# Allegro board DPU_PoE_A1_Oct-9-26.brd (continued)
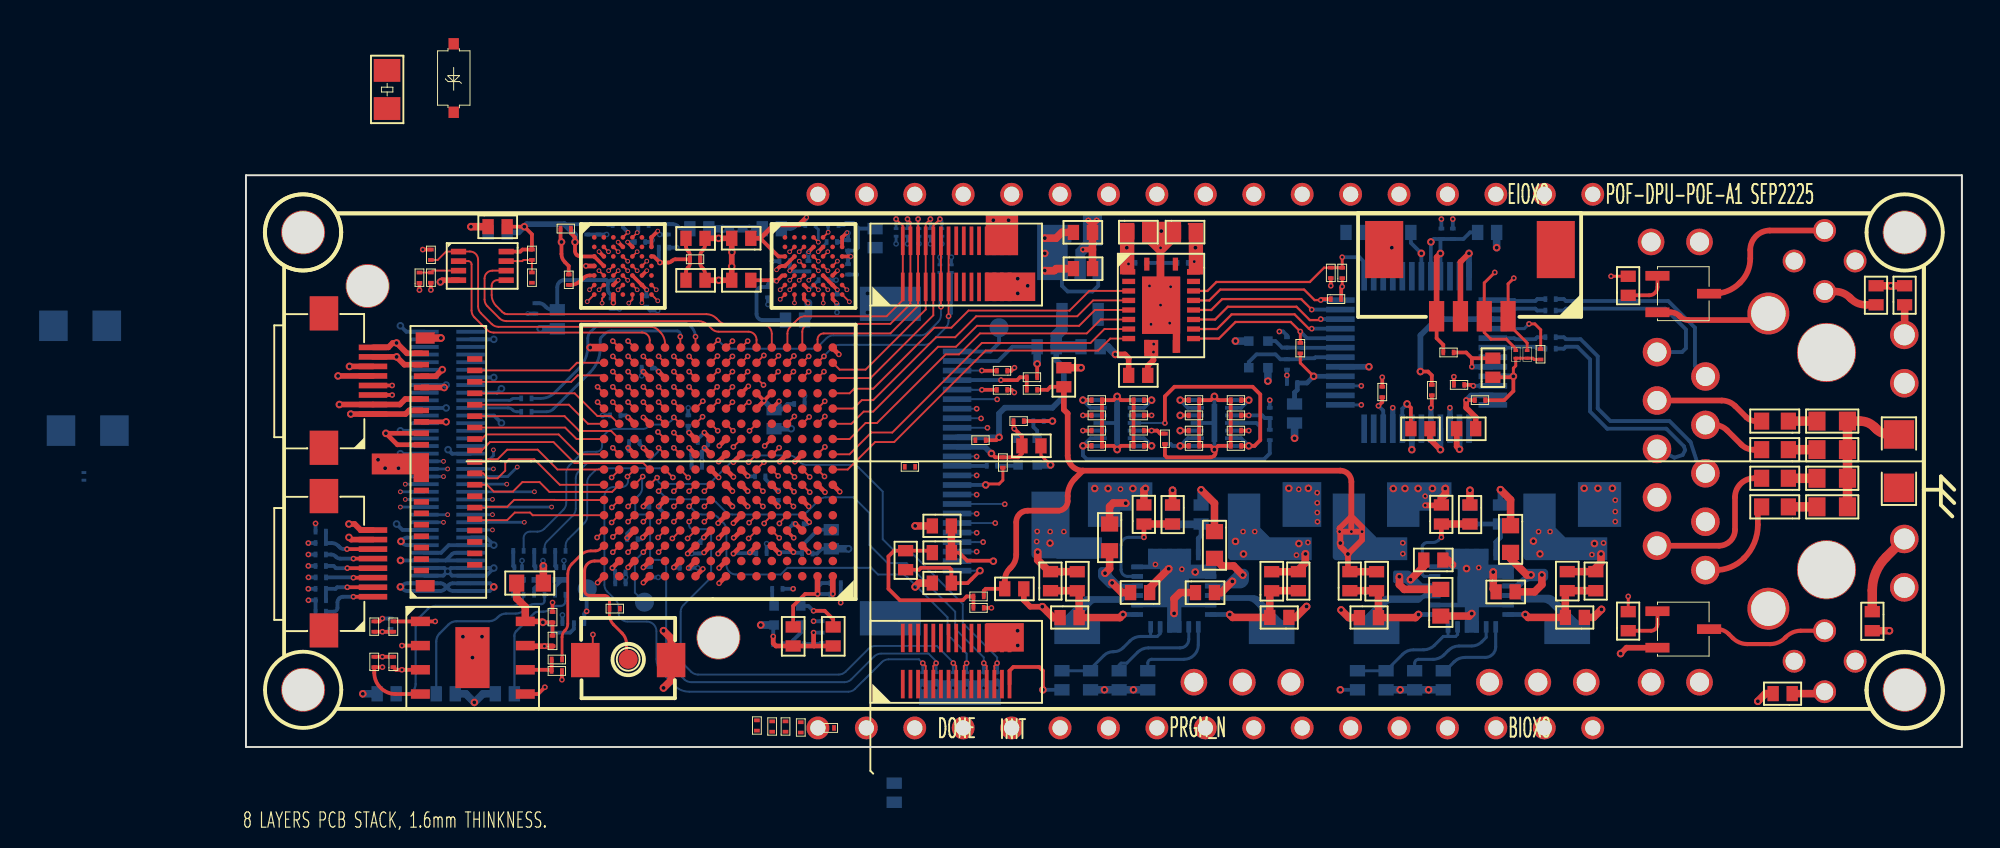
[diagram p0: board, top side]
## Routing (per net, layer and track width the routed paths; a pad name or vN(x,y) marks a point on that pad's centre or on a via; arc(x,y) is an arc through that point) (continued)
H2_D4: length 11.9
  TOP w0.102: v3(21.02,25.49) U1.D6 ; v1(22.44,18.9) U7.N11
  SIG-6 w0.102: v3(21.02,25.49) 21.04,25.48 21.05,25.48 21.54,24.99 arc(21.68,24.93) 21.83,24.99 22.24,25.41 arc(22.35,25.45) 22.45,25.41 arc(22.51,25.32) 22.53,25.23 22.53,25.16 arc(22.54,25.11) 22.57,25.06 22.58,25.04 arc(22.66,25.01) 22.73,25.04 22.96,25.28 arc(23.12,25.34) 23.29,25.28 arc(23.33,25.16) 23.29,25.04 23.01,24.76 arc(22.98,24.72) 22.97,24.68 22.97,24.66 arc(22.98,24.61) 23.01,24.58 23.07,24.52 arc(23.13,24.43) 23.15,24.32 23.15,23.16 arc(23.14,23.09) 23.09,23.02 23.09,23.02 arc(23,22.81) 23.09,22.6 23.11,22.59 arc(23.14,22.49) 23.11,22.4 arc(23.02,22.34) 22.91,22.32 22.3,22.32 arc(21.97,22.18) 21.83,21.86 21.83,21.69 arc(21.86,21.57) 21.93,21.46 21.95,21.45 arc(21.99,21.39) 22,21.31 22,19.34 v1(22.44,18.9)
H2_D5: length 12
  TOP w0.102: v1(20.84,20.5) 21.18,20.16 ; v3(20.02,24.49) U1.E4
  SIG-6 w0.102: v1(20.84,20.5) 20.53,20.5 20.44,20.58 20.44,20.66 20.21,20.9 19.88,20.9 19.6,21.17 19.6,21.53 19.4,21.67 19.32,21.67 arc(19.09,21.77) 19,22 arc(19.13,22.2) 19.37,22.15 19.42,22.1 arc(19.53,22.03) 19.66,22 19.82,22 19.85,21.98 arc(20.04,21.9) 20.24,21.98 arc(20.29,22.11) 20.24,22.24 20.23,22.25 arc(20.19,22.27) 20.15,22.28 19.91,22.28 19.84,22.35 19.84,22.48 19.91,22.55 20.46,22.55 arc(20.61,22.67) 20.79,22.71 arc(21.11,22.84) 21.24,23.16 21.24,23.53 arc(21.2,23.64) 21.09,23.69 20.55,23.69 arc(20.44,23.64) 20.4,23.53 20.4,23.52 arc(20.41,23.47) 20.44,23.43 20.54,23.33 arc(20.59,23.2) 20.54,23.07 20.49,23.03 arc(20.33,22.92) 20.13,22.88 20.04,22.88 arc(19.85,22.96) 19.76,23.16 19.76,23.49 arc(19.79,23.65) 19.89,23.79 19.9,23.8 arc(19.99,23.94) 20.02,24.1 v3(20.02,24.49)
H2_D6: length 11.9
  TOP w0.102: v3(19.52,24.99) U1.E3 ; v1(20.04,20.5) 20.38,20.16
  SIG-6 w0.102: v3(19.52,24.99) 19.27,24.74 arc(19.15,24.57) 19.11,24.36 19.11,24.06 arc(19.15,23.86) 19.27,23.68 19.29,23.66 arc(19.4,23.49) 19.44,23.3 19.44,22.67 arc(19.43,22.6) 19.39,22.55 arc(19.25,22.49) 19.12,22.55 arc(19.07,22.62) 19.05,22.7 19.05,23.34 arc(18.96,23.55) 18.76,23.64 18.58,23.64 arc(18.35,23.54) 18.25,23.3 18.25,23.17 arc(18.32,23.02) 18.47,22.95 18.54,22.95 arc(18.66,22.91) 18.71,22.79 18.71,22.77 arc(18.66,22.65) 18.54,22.61 18.25,22.61 arc(18.19,22.59) 18.15,22.56 arc(18.12,22.53) 18.12,22.49 18.12,22.38 arc(18.12,22.34) 18.15,22.31 arc(18.19,22.28) 18.25,22.26 18.51,22.26 arc(18.6,22.23) 18.64,22.13 18.64,22.11 arc(18.6,22.01) 18.51,21.97 18.31,21.97 arc(18.22,21.94) 18.19,21.85 18.19,21.83 arc(18.22,21.75) 18.31,21.71 18.52,21.71 arc(18.61,21.68) 18.65,21.58 18.65,21.53 arc(18.62,21.46) 18.55,21.43 arc(18.47,21.39) 18.43,21.31 18.43,21.14 arc(18.51,20.94) 18.7,20.86 19.16,20.86 arc(19.41,20.81) 19.63,20.67 19.76,20.54 19.99,20.54 v1(20.04,20.5)
H2_D7: length 11.9
  TOP w0.102: v1(20.04,19.7) U7.P14 ; U1.E2 18.52,24.99 v3(18.52,24.99)
  SIG-6 w0.102: v1(20.04,19.7) 20.05,19.7 20.17,19.7 arc(20.28,19.75) 20.33,19.86 20.33,19.94 arc(20.28,20.05) 20.17,20.1 19.22,20.1 arc(19.17,20.09) 19.12,20.06 19.07,20 arc(18.84,19.91) 18.62,20 17.93,20 arc(17.75,20.08) 17.68,20.25 17.68,20.28 arc(17.75,20.45) 17.92,20.52 17.94,20.52 arc(18.11,20.59) 18.18,20.75 arc(18.12,20.9) 17.97,20.96 17.68,20.96 arc(17.65,20.96) 17.62,20.97 17.61,20.97 arc(17.58,21.01) 17.58,21.04 arc(17.59,21.12) 17.63,21.18 arc(17.67,21.2) 17.72,21.21 17.92,21.21 arc(17.96,21.22) 18.01,21.25 arc(18.03,21.28) 18.04,21.32 18.04,21.41 arc(18.03,21.45) 18.01,21.48 18,21.49 arc(17.97,21.51) 17.93,21.52 17.72,21.52 arc(17.67,21.53) 17.63,21.56 arc(17.57,21.72) 17.63,21.88 17.67,21.92 arc(17.79,21.97) 17.84,22.09 17.84,22.16 arc(17.84,22.2) 17.81,22.23 17.59,22.46 arc(17.56,22.53) 17.59,22.6 17.62,22.64 arc(17.67,22.67) 17.74,22.68 17.77,22.68 arc(17.82,22.69) 17.86,22.72 arc(17.89,22.75) 17.89,22.79 17.89,22.88 arc(17.89,22.92) 17.86,22.95 arc(17.82,22.98) 17.77,22.99 17.74,22.99 arc(17.67,23) 17.62,23.04 17.58,23.08 arc(17.5,23.27) 17.58,23.45 17.67,23.54 arc(17.75,23.73) 17.67,23.92 17.65,23.93 arc(17.58,24.12) 17.65,24.31 17.73,24.39 arc(17.82,24.53) 17.86,24.69 17.86,24.7 arc(17.94,24.91) 18.15,24.99 v3(18.52,24.99)
H2_D8: length 11.9
  TOP w0.102: v1(22.44,18.1) U7.M11 ; v3(20.52,23.99) U1.F5
  SIG-3 w0.102: v1(22.44,18.1) 22.5,18.1 22.62,18.22 arc(22.78,18.46) 22.84,18.75 22.84,20.49 arc(22.79,20.73) 22.65,20.94 22.41,21.18 arc(22.31,21.43) 22.41,21.68 22.65,21.92 arc(22.67,21.95) 22.68,21.99 23.13,22.44 arc(23.24,22.61) 23.28,22.8 23.28,23.65 arc(23.22,23.78) 23.09,23.84 23.02,23.84 arc(22.88,23.78) 22.82,23.65 22.82,23.26 arc(22.77,23.05) 22.63,22.88 22.55,22.83 arc(22.41,22.76) 22.25,22.73 20.75,22.73 arc(20.58,22.8) 20.51,22.97 20.51,23.98 v3(20.52,23.99)
H2_D9: length 11.9
  TOP w0.102: v3(18.02,23.99) U1.F1 ; v1(19.24,18.9) U7.N15
  SIG-3 w0.102: v1(19.24,18.9) 18.84,19.3 15.77,19.3 arc(15.41,19.45) 15.26,19.81 15.26,23.2 arc(15.32,23.5) 15.49,23.76 15.49,23.76 arc(15.74,23.93) 16.05,23.99 v3(18.02,23.99)
H2_D10: length 11.9
  TOP w0.102: v3(21.52,23.99) U1.F7 ; v1(23.24,18.9) U7.N10
  SIG-3 w0.102: v1(23.24,18.9) 23.61,19.27 23.61,19.29 arc(23.64,19.38) 23.65,19.47 23.65,20.56 arc(23.61,20.76) 23.5,20.92 23.33,21.09 arc(23.23,21.23) 23.2,21.4 23.2,21.87 arc(23.23,22.03) 23.33,22.18 23.46,22.31 arc(23.57,22.47) 23.61,22.67 23.61,24.46 arc(23.48,24.76) 23.17,24.89 22.94,24.89 arc(22.63,24.76) 22.5,24.46 22.5,23.36 arc(22.41,23.13) 22.18,23.04 21.38,23.04 arc(21.31,23.07) 21.28,23.14 21.28,23.75 v3(21.52,23.99)
H2_D11: length 12
  TOP w0.102: v1(19.24,20.5) 19.58,20.16 ; v3(18.52,23.99) U1.F2
  SIG-3 w0.102: v3(18.52,23.99) 18.41,23.88 arc(18.34,23.78) 18.32,23.65 18.32,23.09 arc(18.27,22.99) 18.17,22.94 16.28,22.94 arc(16.16,22.89) 16.11,22.77 16.11,20.8 arc(16.18,20.63) 16.35,20.56 16.37,20.56 arc(16.55,20.63) 16.62,20.8 16.62,21.08 arc(16.69,21.26) 16.87,21.34 16.89,21.34 arc(17.07,21.26) 17.15,21.08 17.15,20.71 arc(17.22,20.55) 17.38,20.48 17.39,20.48 arc(17.55,20.55) 17.62,20.71 17.62,21.12 arc(17.7,21.31) 17.9,21.39 arc(18.11,21.31) 18.2,21.09 18.2,20.75 arc(18.28,20.55) 18.48,20.47 19.21,20.47 v1(19.24,20.5)
H2_D12: length 11.9
  TOP w0.102: v1(21.64,18.1) U7.M12 ; v3(20.08,23.29) 20.27,23.48 U1.G5
  SIG-3 w0.102: v1(21.64,18.1) 21.64,18 21.74,17.9 21.9,17.9 arc(21.97,17.93) 22,18 22,18 arc(22.04,18.19) 22.14,18.34 22.2,18.4 arc(22.23,18.47) 22.2,18.54 22.02,18.72 arc(21.97,18.83) 22.02,18.94 22.23,19.15 arc(22.26,19.22) 22.23,19.3 22.05,19.48 arc(21.98,19.64) 22.05,19.81 22.23,20 arc(22.26,20.07) 22.23,20.14 22.17,20.21 arc(22.08,20.34) 22.05,20.5 22.05,20.77 arc(22,20.88) 21.9,20.92 21.65,20.92 arc(21.61,20.93) 21.57,20.95 21.52,21 arc(21.47,21.13) 21.52,21.25 21.54,21.27 arc(21.64,21.33) 21.75,21.36 21.89,21.36 arc(21.96,21.39) 21.99,21.46 21.99,21.61 arc(21.96,21.69) 21.89,21.72 21.47,21.72 arc(21.39,21.75) 21.36,21.82 21.36,21.99 arc(21.39,22.06) 21.46,22.09 22.4,22.09 arc(22.47,22.12) 22.5,22.19 22.5,22.27 arc(22.49,22.32) 22.47,22.36 22.45,22.37 arc(22.42,22.4) 22.37,22.41 20.62,22.41 arc(20.24,22.56) 20.08,22.95 v3(20.08,23.29)
H2_D13: length 12.1
  TOP w0.102: v3(17.9,23.37) U1.G1 ; v1(19.24,19.7) U7.P15
  SIG-3 w0.102: v1(19.24,19.7) 18.91,20.03 17.67,20.03 arc(17.56,19.98) 17.51,19.87 arc(17.47,19.77) 17.36,19.72 17.32,19.72 arc(17.21,19.77) 17.16,19.89 17.16,19.96 arc(17.11,20.08) 16.98,20.14 16.96,20.14 arc(16.83,20.08) 16.78,19.96 16.78,19.89 arc(16.73,19.77) 16.62,19.72 16.43,19.72 16.36,19.8 16.36,19.96 arc(16.31,20.1) 16.17,20.15 arc(16.04,20.1) 15.99,19.96 15.99,19.88 arc(15.95,19.78) 15.85,19.74 arc(15.7,19.8) 15.63,19.96 15.63,23.04 arc(15.73,23.27) 15.96,23.37 16.15,23.37 arc(16.25,23.41) 16.29,23.51 16.29,23.53 arc(16.33,23.62) 16.42,23.66 16.56,23.66 arc(16.65,23.62) 16.69,23.53 16.69,23.51 arc(16.73,23.41) 16.83,23.37 v3(17.9,23.37)
H2_D14: length 11.9
  TOP w0.102: v3(21.6,23.41) U1.G7 ; v1(23.96,18.14) U7.M10
  SIG-3 w0.102: v1(23.96,18.14) 24,18.18 24,24.49 arc(23.7,25.21) 22.98,25.51 22.92,25.51 arc(22.36,25.28) 22.13,24.72 22.13,23.83 arc(22.01,23.53) 21.71,23.41 v3(21.6,23.41)
H2_D15: length 11.8
  TOP w0.102: v3(18.68,23.29) 18.68,23.54 18.77,23.63 U1.G2 ; v1(20.04,18.9) U7.N14
  SIG-3 w0.102: v1(20.04,18.9) 19.6,19.34 19.6,20.75 arc(19.6,20.76) 19.6,20.77 19.6,20.78 arc(19.57,20.83) 19.53,20.88 19.52,20.89 arc(19.47,20.92) 19.41,20.93 18.84,20.93 arc(18.72,20.98) 18.67,21.1 18.67,22.05 arc(18.61,22.2) 18.46,22.27 18.23,22.27 arc(18.01,22.18) 17.92,21.96 17.92,21.94 arc(17.87,21.8) 17.73,21.74 17.65,21.74 arc(17.48,21.81) 17.41,21.98 17.41,22.06 arc(17.36,22.19) 17.23,22.24 17.21,22.24 arc(17.08,22.19) 17.03,22.06 17.03,21.93 arc(16.97,21.78) 16.81,21.72 16.79,21.72 arc(16.54,21.83) 16.43,22.09 16.43,22.36 arc(16.5,22.54) 16.68,22.62 18.35,22.62 arc(18.58,22.71) 18.68,22.94 v3(18.68,23.29)
H2_RST: length 13.9
  TOP w0.102: v3(20.52,26.99) U1.A5 ; v1(23.24,19.7) U7.P10
  SIG-6 w0.102: v1(23.24,19.7) 23.25,19.7 23.57,19.7 arc(23.69,19.73) 23.8,19.8 23.95,19.95 arc(24.12,20.06) 24.31,20.1 25.02,20.1 arc(25.11,20.13) 25.14,20.22 25.14,21.29 arc(25.1,21.51) 24.97,21.7 24.83,21.84 arc(24.72,22.01) 24.68,22.2 24.68,25.79 arc(24.4,26.48) 23.71,26.76 20.79,26.76 arc(20.75,26.77) 20.71,26.79 v3(20.52,26.99)
  BOTTOM w0.2: R63.2 20.58,27.05 v3(20.52,26.99)
H2_RWDS0: length 11.9
  TOP w0.102: v3(20.02,25.49) U1.C4 ; v1(22.44,20.5) 22.78,20.16
  SIG-6 w0.102: v1(22.44,20.5) 22.38,20.56 22.38,21.82 arc(22.43,21.95) 22.56,22 22.75,22 arc(22.81,21.99) 22.85,21.96 22.9,21.91 arc(23.18,21.8) 23.47,21.91 23.66,22.11 arc(23.7,22.19) 23.66,22.26 23.5,22.42 arc(23.4,22.68) 23.5,22.94 23.68,23.12 arc(23.72,23.2) 23.68,23.28 23.45,23.51 arc(23.41,23.61) 23.45,23.7 23.66,23.91 arc(23.69,23.98) 23.66,24.06 23.45,24.27 arc(23.4,24.38) 23.45,24.5 23.51,24.56 arc(23.62,24.72) 23.66,24.92 23.66,25.52 arc(23.56,25.75) 23.33,25.85 23.23,25.85 arc(23.19,25.84) 23.15,25.82 23.06,25.73 arc(22.83,25.63) 22.59,25.73 arc(22.41,25.85) 22.2,25.89 21.14,25.89 arc(20.93,25.85) 20.75,25.73 20.66,25.64 arc(20.49,25.53) 20.3,25.49 v3(20.02,25.49)
H2_RWDS1: length 11.9
  TOP w0.102: v1(20.84,18.1) U7.M13 ; v3(19.52,23.99) U1.F4
  SIG-3 w0.102: v3(19.52,23.99) 19.52,23.95 19.61,23.85 arc(19.67,23.77) 19.68,23.67 19.68,22.72 arc(19.72,22.53) 19.83,22.37 20.06,22.14 arc(20.23,22.03) 20.42,21.99 20.9,21.99 arc(20.97,21.96) 21,21.89 21,21.74 arc(20.97,21.67) 20.9,21.64 20.51,21.64 arc(20.44,21.61) 20.41,21.54 20.41,21.36 arc(20.44,21.29) 20.51,21.26 20.98,21.26 arc(21.08,21.22) 21.12,21.12 21.12,21.02 arc(21.09,20.95) 21.02,20.92 20.56,20.92 arc(20.46,20.88) 20.41,20.77 20.41,20.16 arc(20.44,20.08) 20.51,20.05 21.1,20.05 arc(21.17,20.02) 21.2,19.95 21.2,19.42 arc(21.16,19.32) 21.06,19.28 20.52,19.28 arc(20.45,19.25) 20.42,19.17 20.42,18.59 arc(20.45,18.52) 20.52,18.49 21.14,18.49 arc(21.21,18.46) 21.24,18.39 21.24,18.2 21.14,18.1 v1(20.84,18.1)
INIT_N: length 10.3
  TOP w0.102: v1(22.36,10.94) U7.D11
  SIG-3 w0.102: v1(17.87,7.12) 17.87,9.06 arc(17.91,9.25) 18.02,9.42 18.26,9.66 arc(18.42,9.77) 18.62,9.81 22.11,9.81 arc(22.29,9.88) 22.36,10.07 v1(22.36,10.94)
  BOTTOM w0.2: TP2.1 17.87,8.27 v1(17.87,7.12) 17.74,6.99 R48.2
IO-3: length 6.9
  TOP w0.102: 18.78,20.16 17.36,20.16 16.96,19.76 Y1.36
IO-4: length 7
  TOP w0.102: 12,19.16 17.06,19.16 17.4,19.5 18.64,19.5 U7.P16
IO-5: length 8.2
  TOP w0.102: U7.L15 19.54,16.96 19.13,17.37 18.43,17.37 17.24,18.56 Y1.32
IO-6: length 7.2
  TOP w0.102: U7.L16 17.94,16.96 16.94,17.96 Y1.30
IO-7: length 8.1
  TOP w0.102: Y1.28 16.71,17.36 17.49,16.58 19.16,16.58 19.58,16.16 19.58,16.12
IO-8: length 7
  TOP w0.102: Y1.26 16.74,16.76 17.34,16.16 18.78,16.16
IO-9: length 7.3
  TOP w0.102: 12,16.16 12.36,16.16 12.6,16.4 16.4,16.4 17.44,15.36 U7.J16
IO-10: length 10
  TOP w0.102: Y1.22 12.36,15.56 12.8,16 16.13,16 17.23,14.9 20.84,14.9 U7.H13
IO-11: length 7.5
  TOP w0.102: U7.H16 16.34,14.56 15.3,15.6 13.7,15.6 13.2,15.1 12.7,15.1 12.56,14.96 Y1.20
IO-12: length 8.1
  TOP w0.102: U7.G16 16.46,13.76 15.12,15.1 13.8,15.1 13.6,14.9 13.6,14.5 13.2,14.1 12.7,14.1 12.44,14.36 Y1.18
IO-13: length 8.3
  TOP w0.102: U7.G15 19.2,13.38 15.92,13.38 15.4,13.9 14.5,13.9 14,13.4 13,13.4 12.64,13.76 Y1.16
IO-14: length 7
  TOP w0.102: U7.F16 16.19,12.96 16.19,12.97 14.07,12.97 13.7,12.6 12.6,12.6 12.56,12.56 Y1.12
IO-15: length 7
  TOP w0.102: Y1.10 12.06,11.9 13.7,11.9 14.1,12.3 14.9,12.3 15.04,12.16 U7.E16
IO_E10: length 26.6
  TOP w0.102: v1(37.1,4.4) 37.25,4.25 J4.15 ; v1(23.24,11.82) U7.E10
  BOTTOM w0.102: v1(37.1,4.4) 37.1,4.44 36.24,5.3 33.01,5.3 arc(32.82,5.26) 32.65,5.15 31.45,3.95 arc(31.28,3.84) 31.09,3.8 23.71,3.8 arc(23.52,3.84) 23.35,3.95 22.95,4.35 arc(22.84,4.52) 22.8,4.71 22.8,7.09 arc(22.84,7.28) 22.95,7.45 24.25,8.75 arc(24.36,8.92) 24.4,9.11 24.4,11.33 arc(24.37,11.4) 24.3,11.43 23.45,11.43 arc(23.3,11.49) 23.24,11.64 v1(23.24,11.82)
  BOTTOM w0.15: D1.2 v1(37.1,4.4)
IO_F10: length 22.4
  TOP w0.102: v1(23.24,12.62) U7.F10 ; v1(37.8,4.4) 37.65,4.25 J4.17
  BOTTOM w0.102: v1(23.24,12.62) 23.28,12.62 23.55,12.35 arc(23.72,12.24) 23.91,12.2 24.39,12.2 arc(24.58,12.16) 24.75,12.05 25.05,11.75 arc(25.16,11.58) 25.2,11.39 25.2,9.56 arc(25.35,9.2) 25.71,9.05 28.05,9.05 28.4,9.4 32.8,9.4 33.15,9.05 34.34,9.05 arc(34.53,9.01) 34.7,8.9 36.8,6.8 36.8,5.9 37.8,4.9 v1(37.8,4.4)
  BOTTOM w0.15: D5.2 v1(37.8,4.4)
IO_G12: length 25.3
  TOP w0.102: v1(38.7,4.4) 38.85,4.25 J4.23 ; v1(21.64,13.42) U7.G12
  BOTTOM w0.102: v1(21.64,13.42) 21.68,13.42 21.95,13.15 arc(22.12,13.04) 22.31,13 24.29,13 arc(24.48,12.96) 24.65,12.85 25.15,12.35 arc(25.32,12.24) 25.51,12.2 29.09,12.2 arc(29.28,12.24) 29.45,12.35 30.05,12.95 arc(30.22,13.06) 30.41,13.1 31.88,13.1 32.7,12.28 32.7,10.6 33.65,9.65 34.65,9.65 37.2,7.1 37.2,6.2 38.7,4.7 v1(38.7,4.4)
  BOTTOM w0.2: D3.2 v1(38.7,4.4)
IO_G13: length 27.5
  TOP w0.102: J4.25 39.25,4.25 v1(39.4,4.4) ; v1(21.56,14.13) 21.55,14.13 U7.G13
  BOTTOM w0.102: v1(39.4,4.4) 39.4,4.7 37.6,6.5 37.6,7.5 34.8,10.3 34,10.3 33.4,10.9 33.4,13.4 32.15,14.65 arc(31.98,14.76) 31.79,14.8 29.41,14.8 arc(29.22,14.84) 29.05,14.95 28.85,15.15 arc(28.68,15.26) 28.49,15.3 26.01,15.3 arc(25.82,15.26) 25.65,15.15 24.45,13.95 arc(24.28,13.84) 24.09,13.8 21.87,13.8 arc(21.66,13.88) 21.58,14.09 21.58,14.12 v1(21.56,14.13)
  BOTTOM w0.2: D6.2 v1(39.4,4.4)
IO_G14: length 28.7
  TOP w0.102: v1(36.2,4.4) 36.05,4.25 J4.9 ; U7.G14 v1(20.81,14.19)
  BOTTOM w0.102: v1(36.2,4.4) 36.2,4.5 35.8,4.9 33.31,4.9 arc(33.12,4.86) 32.95,4.75 31.75,3.55 arc(31.58,3.44) 31.39,3.4 23.35,3.4 arc(23.16,3.44) 22.99,3.55 22.19,4.35 arc(22.08,4.52) 22.04,4.71 22.04,9.43 arc(21.93,9.71) 21.65,9.82 21.39,9.82 arc(21.26,9.88) 21.2,10.01 21.2,12.04 arc(21.19,12.1) 21.16,12.14 21.14,12.16 arc(21.1,12.19) 21.04,12.2 20.6,12.2 arc(20.47,12.25) 20.42,12.38 20.42,12.81 arc(20.46,13) 20.57,13.17 20.63,13.23 arc(20.74,13.4) 20.78,13.59 20.78,14.16 v1(20.81,14.19)
  BOTTOM w0.15: D4.2 v1(36.2,4.4)
IO_H14: length 30.1
  TOP w0.102: J4.7 35.65,4.25 v1(35.5,4.4) ; v1(20.01,14.19) U7.H14
  BOTTOM w0.102: v1(35.5,4.4) 35.3,4.6 33.71,4.6 arc(33.52,4.56) 33.35,4.45 31.95,3.05 arc(31.78,2.94) 31.59,2.9 23.25,2.9 arc(22.83,2.98) 22.48,3.22 21.85,3.85 arc(21.61,4.2) 21.53,4.62 21.53,6.07 arc(21.38,6.43) 21.02,6.58 20.01,6.58 arc(19.68,6.72) 19.54,7.05 19.54,7.35 arc(19.5,7.54) 19.39,7.71 18.95,8.15 arc(18.84,8.32) 18.8,8.51 18.8,13.13 arc(18.95,13.49) 19.31,13.64 19.73,13.64 arc(19.95,13.73) 20.04,13.95 20.04,14.16 v1(20.01,14.19)
  BOTTOM w0.15: D2.2 v1(35.5,4.4)
IO_LED_1: length 13
  TOP w0.102: v1(22.44,17.3) U7.L11
  BOTTOM w0.102: 22.44,17.26 22.44,17.25 22.33,17.14 arc(22.08,16.97) 21.79,16.91 21.35,16.91 arc(21.21,16.89) 21.1,16.81 21.08,16.79 arc(20.97,16.72) 20.83,16.69 19.4,16.69 arc(18.89,16.48) 18.68,15.97 18.68,15.79 arc(18.59,15.58) 18.38,15.49 17.89,15.49 arc(17.7,15.45) 17.53,15.34 16.95,14.76 arc(16.84,14.59) 16.8,14.4 16.8,12.81 arc(16.76,12.62) 16.65,12.45 15.65,11.45 arc(15.48,11.34) 15.29,11.3 14.9,11.3 arc(14.66,11.2) 14.56,10.96 R80.1
IO_LED_2: length 10
  TOP w0.102: U7.J12 v1(21.64,15.7)
  BOTTOM w0.102: R79.1 15.66,10.49 arc(15.7,10.65) 15.79,10.79 17.15,12.15 arc(17.26,12.32) 17.3,12.51 17.3,14.1 arc(17.34,14.29) 17.45,14.46 17.83,14.84 arc(18,14.95) 18.19,14.99 18.91,14.99 18.91,14.99 20.9,14.99 arc(21.09,15.03) 21.26,15.14 21.6,15.48 arc(21.63,15.53) 21.64,15.58 21.64,15.66
IO_LED_3: length 9.7
  TOP w0.102: v1(22.39,14.14) U7.H12
  BOTTOM w0.102: v1(22.39,14.14) 22.07,14.47 arc(21.9,14.58) 21.71,14.62 18.7,14.62 arc(18.49,14.59) 18.3,14.5 18.05,14.24 arc(17.94,14.08) 17.9,13.88 17.9,12.11 arc(17.86,11.92) 17.75,11.75 16.91,10.91 arc(16.8,10.75) 16.77,10.55 R78.1
IO_P1: length 12.4
  TOP w0.102: U7.P1 32.76,19.36 36.05,22.65 J2.9 J2.10 36.05,27.35 v1(36.4,27.7)
  BOTTOM w0.15: v1(36.4,27.7) 36.5,27.6 D13.2
IO_R1: length 11.7
  TOP w0.102: 30.78,20.16 31.14,19.8 32.5,19.8 35.65,22.95 J2.7 J2.8 35.65,27.45 v1(35.9,27.7)
  BOTTOM w0.15: D12.2 v1(35.9,27.7)
IO_R2: length 14.5
  TOP w0.102: J2.14 J2.13 v1(36.85,22.6) ; v1(30.32,20.5) 29.98,20.16
  BOTTOM w0.102: v1(30.32,20.5) 30.32,20.52 30.75,20.95 arc(30.92,21.06) 31.11,21.1 35.59,21.1 arc(35.78,21.14) 35.95,21.25 36.7,22 arc(36.81,22.17) 36.85,22.36 v1(36.85,22.6)
  BOTTOM w0.15: D15.2 37,22.75 v1(36.85,22.6)
  BOTTOM w0.2: 30.32,20.46 v1(30.32,20.5)
IO_T2: length 11.6
  TOP w0.102: v1(35.25,27.7) J2.6 J2.5 35.25,23.15 33.8,21.7 30.3,21.7 arc(30.07,21.61) 29.98,21.38 U7.T2
  TOP w0.12: U7.T2 29.98,20.92
  BOTTOM w0.15: v1(35.25,27.7) 35.25,27.25 D11.2
IO_T3: length 12.2
  TOP w0.102: U7.T3 29.18,21.78 arc(29.3,22.08) 29.6,22.2 33.8,22.2 34.85,23.25 J2.3 J2.4 34.85,27.55 v1(34.7,27.7)
  TOP w0.12: U7.T3 29.18,20.92
  BOTTOM w0.15: D8.2 v1(34.7,27.7)
IO_T4: length 12.5
  TOP w0.102: U7.T4 28.4,20.98 28.4,21.69 arc(28.44,21.88) 28.55,22.05 28.95,22.45 arc(29.12,22.56) 29.31,22.6 33.6,22.6 34.45,23.45 J2.1 J2.2 34.45,27.35 v1(34.1,27.7)
  TOP w0.12: U7.T4 28.38,20.92
  BOTTOM w0.15: D9.2 v1(34.1,27.7)
IO_T9: length 18.9
  TOP w0.102: v1(36.45,23.1) J2.11 J2.12 ; v1(24.77,21.34) U7.T9
  BOTTOM w0.102: v1(24.77,21.34) 25.06,21.05 arc(25.23,20.94) 25.42,20.9 29.69,20.9 arc(29.88,20.94) 30.05,21.05 30.45,21.45 arc(30.62,21.56) 30.81,21.6 35.39,21.6 arc(35.58,21.64) 35.75,21.75 36.3,22.3 arc(36.41,22.47) 36.45,22.66 v1(36.45,23.1)
  BOTTOM w0.15: D14.2 36.4,23.15 v1(36.45,23.1)
IR_1V8: length 62.9
  TOP w0.2: C103.2 v2(49,18.2)
  VCC-4 w0.3: v2(49,18.2) 49.5,18.2 U5.13 49.9,15.3 49.3,14.7 43.5,14.7 40.4,11.6 40.4,9 37.5,6.1 33.23,6.1 30.53,3.4 19.1,3.4 16.8,5.7 16.8,7.3 14.8,9.3 10.9,9.3 10.41,9.79 v2(8.11,9.79)
  BOTTOM w0.2: 10.48,9.79 10.82,10.13 arc(10.89,10.17) 10.96,10.19 J7.12 ; 10.48,9.79 J7.9 v2(8.11,9.79) ; 10.48,9.79 J7.10 ; U5.14 v2(49,18.2) 49.4,17.8 U5.13
IR_1V8_EN: length 3.1
  TOP w0.2: R71.2 v1(52.6,17.4)
  BOTTOM w0.2: U5.3 v1(52.6,17.4) 53.3,17.4 53.44,17.26 C108.2 R74.2
IR_3V3: length 67.9
  TOP w0.2: C118.2 v2(43.9,15.8)
  VCC-4 w0.3: v2(8.13,10.79) 11.01,10.79 11.4,10.4 16,10.4 18.1,8.3 26.4,8.3 27.4,9.3 35.4,9.3 36.9,10.8 36.9,19.9 37.9,20.9 42.1,20.9 42.65,20.35 42.65,18.15 43.1,17.7 43.1,16.2 43.5,15.8 v2(43.9,15.8)
  BOTTOM w0.2: J7.15 8.45,10.99 arc(8.34,10.97) 8.24,10.9 v2(8.13,10.79) 8.24,10.68 arc(8.34,10.61) 8.45,10.59 J7.13 ; R74.1 53.7,15.4 53.4,15.1 44.1,15.1 43.9,15.3 v2(43.9,15.8) ; v2(43.9,15.8) 44.3,16.2 U6.9 ; v2(43.9,15.8) U6.8
IR_3V3_EN: length 2.8
  TOP w0.2: C112.2 47.96,16.44 47.8,16.6 v1(47.5,16.6) R72.2
  BOTTOM w0.2: U6.5 v1(47.5,16.6) 47.8,16.6 47.96,16.44 C112.2
IR_5V0: length 69.1
  TOP w0.2: C120.2 v2(49,15.8)
  SIG-3 w0.4: v2(8.1,8.4) v2(13,8.4) 15.9,8.4 16.7,7.6 16.7,5.4 17.3,4.8 20.5,4.8 23.8,8.1 27,8.1 28.6,6.5 28.6,5.6 29.4,4.8 31.2,4.8 33.5,7.1 39.4,7.1 41,8.7 42.8,8.7 44.3,10.2 44.3,11.8 43.35,12.75 43.35,14.05 44,14.7 48.5,14.7 49,15.2 v2(49,15.8)
  BOTTOM w0.2: U5.9 49.4,16.2 v2(49,15.8) ; 10.53,8.39 10.42,8.5 arc(10.32,8.57) 10.21,8.59 J7.3 8.45,8.59 arc(8.34,8.57) 8.24,8.5 8.14,8.4 8.12,8.4 ; 10.53,8.39 10.64,8.5 arc(10.74,8.57) 10.85,8.59 J7.4 12.81,8.59 v2(13,8.4) 12.79,8.19 J7.2 10.85,8.19 arc(10.74,8.21) 10.64,8.28 10.53,8.39 ; 10.53,8.39 10.42,8.28 arc(10.32,8.21) 10.21,8.19 J7.1 8.45,8.19 arc(8.34,8.21) 8.24,8.28 8.12,8.4 ; U5.8 v2(49,15.8) ; v2(49,15.8) 48.6,15.8 48.5,15.9 R75.1 ; 8.12,8.4 v2(8.1,8.4)
IR_D0: length 14.4
  TOP w0.102: U7.E15 19.56,12.16 v1(19.18,11.78)
  SIG-3 w0.102: v1(19.18,11.78) 19.34,11.62 19.4,11.62 arc(19.5,11.64) 19.58,11.69 19.67,11.78 arc(19.74,11.94) 19.67,12.1 arc(19.57,12.17) 19.45,12.19 18.88,12.19 arc(18.77,12.15) 18.73,12.04 18.73,11.82 arc(18.7,11.75) 18.63,11.72 18.45,11.72 18.38,11.79 18.38,12.04 arc(18.34,12.15) 18.23,12.19 18.22,12.19 arc(18.09,12.16) 17.98,12.09 17.65,11.76 arc(17.62,11.69) 17.65,11.62 17.75,11.52 arc(17.79,11.41) 17.75,11.31 17.68,11.24 arc(17.58,11.2) 17.48,11.24 17.35,11.37 17.23,11.37 17.11,11.25 17.08,11.11 17.08,10.89 arc(17.04,10.78) 16.93,10.74 16.6,10.74 16.53,10.81 16.53,10.85 16.42,10.96 16.35,10.96 16.11,10.72 15.9,10.72 15.83,10.79 15.83,11.06 15.78,11.11 15.5,11.11 15.48,11.09 15.48,10.95 arc(15.46,10.85) 15.4,10.76 15.38,10.74 arc(15.28,10.7) 15.18,10.74 15.14,10.78 arc(15.1,10.85) 15.08,10.93 15.08,11.04 15.01,11.11 14.8,11.11 14.78,11.09 14.78,10.84 arc(14.75,10.77) 14.68,10.74 14.48,10.74 arc(14.41,10.77) 14.38,10.84 14.38,10.93 14.21,11.1 14.09,11.1 arc(14.05,11.03) 14.03,10.95 14.03,10.84 arc(14,10.77) 13.93,10.74 13.73,10.74 arc(13.66,10.77) 13.63,10.84 13.63,10.96 13.53,11.06 13.41,11.06 13.28,10.93 arc(13.26,10.85) 13.22,10.78 13.21,10.77 arc(13.11,10.73) 13,10.77 12.99,10.78 arc(12.95,10.85) 12.93,10.93 v3(12.93,11.39)
  BOTTOM w0.15: J7.18 v3(12.93,11.39)
IR_D1: length 15.1
  TOP w0.102: v1(21.64,11.82) U7.E12
  SIG-3 w0.102: v1(21.64,11.82) 21.45,11.63 arc(21.34,11.46) 21.3,11.27 21.3,10.9 arc(21.21,10.69) 21,10.6 18.81,10.6 arc(18.62,10.56) 18.45,10.45 18.25,10.25 arc(18.08,10.14) 17.89,10.1 11.44,10.1 arc(11.08,10.25) 10.93,10.61 10.93,11.44 arc(10.83,11.69) 10.58,11.79 v3(10.36,11.79)
  BOTTOM w0.15: J7.19 v3(10.36,11.79)
IR_D2: length 15.3
  TOP w0.102: v1(24.04,12.62) U7.F9
  SIG-3 w0.102: v3(14.6,11.79) 16.42,11.79 arc(16.61,11.83) 16.78,11.94 17.63,12.79 arc(17.86,12.95) 18.14,13 20.22,13 arc(20.37,12.94) 20.43,12.79 20.43,12.34 arc(20.47,12.23) 20.58,12.19 21.78,12.19 arc(21.99,12.1) 22.08,11.89 22.08,11.55 arc(22.09,11.49) 22.12,11.45 22.18,11.39 arc(22.45,11.28) 22.73,11.39 22.74,11.4 arc(22.81,11.5) 22.83,11.62 22.83,12.04 arc(22.87,12.15) 22.98,12.19 23.44,12.19 arc(23.58,12.21) 23.72,12.27 24.04,12.6 v1(24.04,12.62)
  BOTTOM w0.15: J7.20 v3(14.6,11.79)
IR_D3: length 15
  TOP w0.102: v1(20.84,11.82) U7.E13
  SIG-3 w0.102: v3(10.58,12.19) 10.78,12.19 arc(11.13,12.04) 11.28,11.69 11.28,10.7 arc(11.34,10.55) 11.49,10.49 11.52,10.49 arc(11.67,10.55) 11.73,10.7 11.73,11.03 arc(11.79,11.18) 11.94,11.24 11.97,11.24 arc(12.12,11.18) 12.18,11.03 12.18,10.81 arc(12.3,10.52) 12.59,10.4 17.09,10.4 arc(17.28,10.44) 17.45,10.55 18.15,11.25 arc(18.32,11.36) 18.51,11.4 20.21,11.4 arc(20.4,11.44) 20.57,11.55 v1(20.84,11.82)
  BOTTOM w0.15: J7.21 v3(10.58,12.19)
IR_D4: length 14.9
  TOP w0.102: U7.G10 v1(23.24,13.42)
  SIG-3 w0.102: v3(12.93,12.19) 13.83,12.19 arc(13.97,12.22) 14.09,12.3 14.13,12.34 arc(14.21,12.37) 14.29,12.34 14.44,12.19 14.59,12.19 14.74,12.34 arc(14.82,12.37) 14.9,12.34 15.05,12.19 arc(15.13,12.16) 15.2,12.19 15.35,12.34 arc(15.43,12.37) 15.51,12.34 15.66,12.19 15.81,12.09 16.13,12.09 16.28,12.19 16.3,12.21 16.43,12.21 16.48,12.17 16.58,12.17 16.69,12.28 16.69,12.38 16.65,12.43 16.65,12.5 arc(16.66,12.55) 16.68,12.59 16.7,12.61 arc(16.74,12.64) 16.79,12.65 16.86,12.65 16.91,12.6 17.01,12.6 17.12,12.71 17.12,12.82 17.08,12.86 17.08,12.99 arc(17.14,13.13) 17.28,13.19 17.5,13.19 arc(17.54,13.2) 17.59,13.23 17.64,13.28 17.64,13.35 17.69,13.4 arc(17.73,13.43) 17.78,13.44 17.8,13.44 arc(17.85,13.43) 17.89,13.4 17.94,13.35 17.94,13.28 17.98,13.24 18.14,13.24 18.3,13.4 arc(18.34,13.43) 18.39,13.44 18.41,13.44 arc(18.46,13.43) 18.5,13.4 18.55,13.35 18.55,13.28 18.59,13.24 18.75,13.24 18.91,13.4 arc(18.95,13.43) 19,13.44 19.02,13.44 arc(19.07,13.43) 19.11,13.4 19.16,13.35 19.16,13.28 19.2,13.24 19.36,13.24 19.52,13.4 arc(19.56,13.43) 19.61,13.44 19.63,13.44 arc(19.68,13.43) 19.72,13.4 19.77,13.35 19.77,13.28 19.81,13.24 19.97,13.24 20.13,13.4 arc(20.17,13.43) 20.22,13.44 20.24,13.44 arc(20.29,13.43) 20.33,13.4 20.38,13.35 20.38,13.33 20.52,13.19 20.54,13.19 arc(20.59,13.2) 20.63,13.23 20.69,13.28 20.69,13.35 20.74,13.4 arc(20.78,13.43) 20.83,13.44 20.85,13.44 arc(20.9,13.43) 20.94,13.4 20.99,13.35 20.99,13.28 21.08,13.19 21.18,13.19 21.29,13.08 arc(21.38,13.02) 21.49,13 22.66,13 arc(22.85,13.04) 23,13.14 23.24,13.38 v1(23.24,13.42)
  BOTTOM w0.15: J7.22 v3(12.93,12.19)
IR_D5: length 16
  TOP w0.102: U7.F15 v1(19.19,12.57)
  SIG-3 w0.102: v1(19.19,12.57) 19.16,12.6 18.35,12.6 arc(18.06,12.54) 17.82,12.38 17.03,11.59 arc(16.84,11.46) 16.61,11.41 13.67,11.41 13.33,11.52 13.09,11.77 12.97,11.77 12.82,11.79 12.09,11.79 arc(11.9,11.83) 11.73,11.94 11.23,12.44 arc(11.06,12.55) 10.87,12.59 10.33,12.59 arc(10.12,12.5) 10.03,12.29 10.03,11.44 arc(10,11.37) 9.93,11.34 8.78,11.34 arc(8.71,11.37) 8.68,11.44 8.68,12.49 arc(8.65,12.56) 8.58,12.59 v3(8.1,12.59)